# Altium PCB Bran_Main_Assay_PCB_v2.PcbDoc (part 4 of 15)
Units mil, origin at the board's own origin, x right, y up, seen from the top; angles counter-clockwise.
Board outline 3608.46 x 1899.79 mil, 6 copper layers (TOP, GND1, Singal, POWER, GND2, BOTTOM), stack 31.508 mil thick; 363 components, 288 nets, 1386 pads, 975 vias.
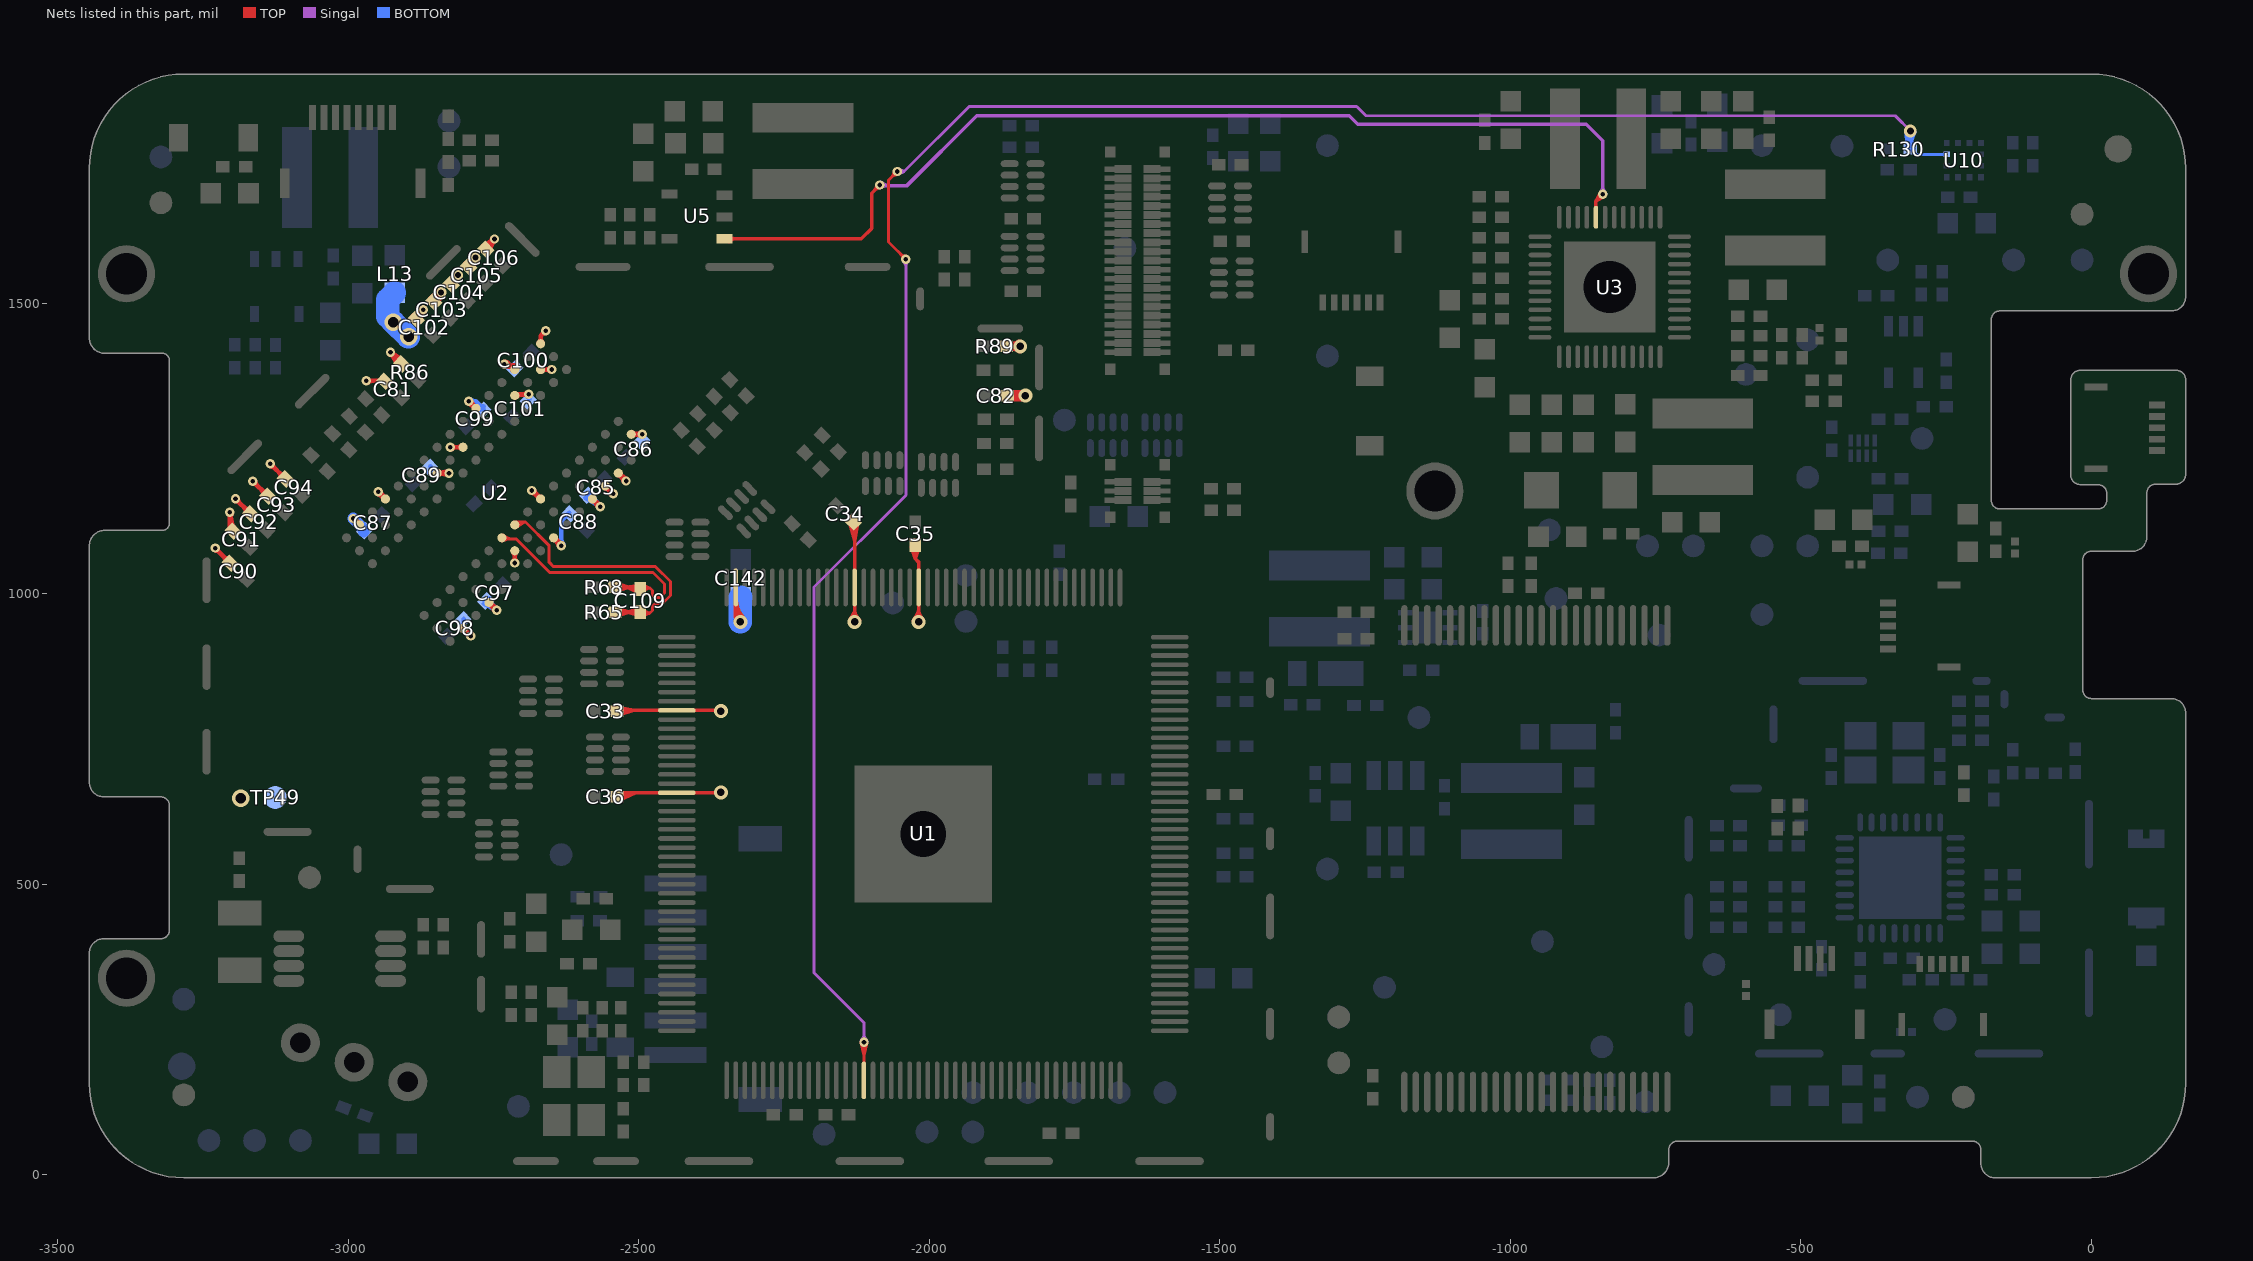
[diagram p8: the nets of this part, all layers, seen from the top]

## Via types
v1: diameter 16, hole 8, TOP to BOTTOM, tented both sides, 431 vias
v2: diameter 18, hole 10, TOP to BOTTOM, tented both sides, 257 vias
v3: diameter 22, hole 12, TOP to BOTTOM, tented both sides, 194 vias
v4: diameter 30, hole 18, TOP to BOTTOM, tented both sides, 69 vias
v5: diameter 24, hole 13, TOP to BOTTOM, tented both sides, 11 vias
v6: diameter 19.68, hole 7.87, TOP to BOTTOM, 9 vias
v7: diameter 22, hole 2, TOP to BOTTOM, tented both sides, 2 vias
v8: diameter 17.99, hole 10, TOP to BOTTOM, tented both sides, 1 vias
v9: diameter 20, hole 10, TOP to BOTTOM, tented both sides, 1 vias

## Nets (pads, with @x,y where several pads share a name; then routed paths per layer and width w, separated by ;. In a path a pad name is that pad's centre, name@x,y a point inside that pad or via, vN(x,y) a via of type N, cw(c..) or ccw(c..) an arc to the next point about the centre after c; other vN are vias at no path point) (continued)
DRAM-VCC: C33.2 C34.2 C35.2 C36.2 C81.2 C82.1 C85.1 C86.1 C87.1 C88.1 C89.1 C90.1 C91.1 C92.1 C93.1 C94.1 C97.1 C98.1 C99.1 C100.1 C101.1 C102.1 C103.1 C104.1 C105.1 C106.1 C142.2 L13.1 R86.2 R89.2 TP49.1 U1.23 U1.30 U1.43 U1.53 U1.62 U2.A1 U2.A8 U2.B2 U2.C1 U2.C9 U2.D2 U2.D9 U2.E9 U2.F1 U2.G7 U2.H2 U2.H9 U2.K2 U2.K8 U2.N1 U2.N9 U2.R1 U2.R9 | length 13377
  TOP w6: v2@-2812.04,1548.31 v2(-2811.43,1548.92) ; C36.2@-2537.89,657.71 -2524.61,656.93 ; C36.2@-2537.25,657.8 -2505.43,657.79 ; C36.2@-2537.12,657.82 -2513.88,656.44 ; C36.2@-2536.12,651 -2536.12,652.32 -2530.65,657.79 U1.62@-2434.64,657.79 v5@-2359.53,657.79 ; C33.2@-2536.1,798.17 -2534.75,799.52 U1.53@-2434.64,799.52 -2360.23,799.52 v5(-2359.02,798.31) ; C33.2@-2535.99,805 -2508.56,799.52 ; C36.2@-2535.92,650.41 cw(c-2518.09,632.58) -2518.09,657.79 ; C33.2@-2535.33,791.43 -2508.56,799.52 ; C33.2@-2535.36,804.92 -2526.32,799.93 ; C33.2@-2535.15,804.88 -2522.18,798.8 ; C33.2@-2534.57,791.61 -2522.18,798.8 ; C36.2@-2534.34,644.51 -2505.43,657.79 ; C36.2@-2533.96,644.66 -2513.88,656.44 ; C33.2@-2533.16,792.19 -2526.32,799.93 ; C36.2@-2531.99,645.87 -2524.61,656.93 ; C36.2@-2531.68,646.16 cw(c-2503.6,618.09) -2503.6,657.79 ; C33.2@-2531.66,793.33 cw(c-2516.72,778.39) -2516.72,799.52 ; C33.2@-2531.66,803.01 ccw(c-2523.23,811.43) -2523.23,799.52 ; -2485.12,657.79 U1.62@-2463.18,657.79 ; -2485.12,799.52 U1.53@-2463.18,799.52 ; U1.62@-2406.09,657.79 -2384.16,657.79 ; U1.53@-2406.09,799.52 -2384.16,799.52 ; v5@-2137.39,953.97 -2129.29,968.1 ; C34.2@-2136.88,1121.54 -2128.65,1091.45 ; C34.2@-2136.68,1120.66 -2129.38,1108.11 ; v5@-2135.01,958.19 ccw(c-2150.63,973.81) -2128.54,973.81 ; C34.2@-2134.96,1117.77 cw(c-2150.19,1102.54) -2128.65,1102.54 ; C34.2@-2129.84,1122.33 -2128.65,1121.14 -2128.65,1011.13 -2128.65,1011.02 U1.30@-2128.54,1011.13 v5@-2128.54,951.93 ; v5@-2128.65,951.93 v5(-2128.65,951.83) -2129.29,968.1 ; -2128.65,1061.61 U1.30@-2128.54,1039.68 ; -2128.65,1109.64 cw(c-2117.15,1109.64) C34.2@-2125.28,1117.77 ; v5@-2128.54,960.65 U1.30@-2128.54,982.59 ; -2128.54,973.3 ccw(c-2107.18,973.3) v5@-2122.28,958.19 ; C34.2@-2123.39,1121.34 -2129.38,1108.11 ; C34.2@-2123.29,1122.18 -2128.65,1091.45 ; v5@-2120.1,954.66 -2129.29,968.1 ; C35.2@-2031.18,1081.18 -2024.43,1060.83 ; C35.2@-2031.08,1080.66 -2024.99,1070.02 ; C35.2@-2030.9,1080.06 -2023.87,1070.02 ; C35.2@-2029.27,1077.43 cw(c-2040.95,1065.75) -2024.43,1065.75 cw(c-2007.91,1065.75) C35.2@-2019.59,1077.43 ; v5@-2027.39,953.94 -2019.39,967.93 ; v5@-2025.01,958.19 ccw(c-2040.37,973.55) -2018.65,973.55 ccw(c-1996.92,973.55) v5@-2012.28,958.19 ; C35.2@-2024.43,1081.87 -2024.43,1060.83 ; v5(-2018.65,951.83) -2019.39,967.93 ; v5@-2018.65,956.83 -2018.65,1011.13 -2018.65,1055.04 ; v5@-2018.65,960.65 U1.23@-2018.3,982.59 ; U1.23@-2018.3,1039.68 -2018.65,1055.04 ; C35.2@-2017.95,1080.06 -2024.99,1070.02 ; C35.2@-2017.78,1080.66 -2023.87,1070.02 ; C35.2@-2017.67,1081.18 -2024.43,1060.83 ; v5@-2010.13,954.73 -2019.39,967.93 ; C36.2@-2536.51,651 -2513.88,656.44 ; C36.2@-2536.51,651 -2505.43,657.79 ; C36.2@-2536.51,651 -2524.61,656.93 ; C33.2@-2536.49,798.17 -2508.56,799.52 ; C33.2@-2536.49,798.17 -2526.32,799.93 ; C33.2@-2536.49,798.17 -2522.18,798.8 ; -2129.38,1108.11 -2130.12,1122.61 -2128.65,1091.45 ; -2024.99,1070.02 C35.2@-2024.43,1082.27 ; -2024.43,1060.83 C35.2@-2024.43,1082.27 ; -2024.43,1060.83 -2018.65,1055.04 ; C35.2@-2024.43,1082.27 -2023.87,1070.02
  TOP w8: v1@-3229.43,1074.92 cw(c-3229.43,1065.26) -3222.6,1072.09 cw(c-3215.77,1078.92) v1@-3225.43,1078.92 ; v1(-3229.43,1078.92) C90.1@-3205.02,1054.51 ; C90.1@-3210.58,1054.23 ccw(c-3224.69,1054.23) -3214.71,1064.21 ccw(c-3204.74,1074.18) C90.1@-3204.74,1060.08 ; C90.1@-3209.98,1051.66 -3211.79,1061.97 ; C90.1@-3209.73,1051.19 -3212.47,1061.29 ; v1@-3206.84,1138 cw(c-3213.67,1131.17) -3204.02,1131.17 cw(c-3194.36,1131.17) v1@-3201.19,1138 ; v1@-3204.02,1133.66 ccw(c-3175.31,1133.66) C91.1@-3195.61,1113.36 ; -3202.69,1130.83 v1(-3204.02,1140.83) ; C91.1@-3202.43,1111.92 C91.1@-3200.02,1109.51 ; v1@-3202.43,1139.24 v1(-3204.02,1140.83) ; C90.1@-3202.16,1059.48 -3212.47,1061.29 ; -3202.15,1126.69 cw(c-3186.71,1130.83) v1@-3200.55,1138.83 ; C90.1@-3201.69,1059.22 -3211.79,1061.97 ; C91.1@-3200.17,1119.31 v1(-3204.02,1140.83) ; C91.1@-3198.35,1107.84 C91.1@-3204.02,1113.51 ; v1@-3194.43,1159.92 cw(c-3194.43,1150.26) -3187.6,1157.09 cw(c-3180.77,1163.92) v1@-3190.43,1163.92 ; v1(-3194.43,1163.92) C92.1@-3170.02,1139.51 ; C92.1@-3175.58,1139.23 ccw(c-3189.69,1139.23) -3179.71,1149.21 ccw(c-3169.74,1159.18) C92.1@-3169.74,1145.08 ; C92.1@-3174.98,1136.66 -3176.79,1146.97 ; C92.1@-3174.73,1136.19 -3177.47,1146.29 ; C92.1@-3167.16,1144.48 -3177.47,1146.29 ; C92.1@-3166.69,1144.22 -3176.79,1146.97 ; v1@-3164.43,1189.92 cw(c-3164.43,1180.26) -3157.6,1187.09 cw(c-3150.77,1193.92) v1@-3160.43,1193.92 ; v1(-3164.43,1193.92) C93.1@-3140.02,1169.51 ; C93.1@-3145.58,1169.23 ccw(c-3159.69,1169.23) -3149.71,1179.21 ccw(c-3139.74,1189.18) C93.1@-3139.74,1175.08 ; C93.1@-3144.98,1166.66 -3146.79,1176.97 ; C93.1@-3144.73,1166.19 -3147.47,1176.29 ; C93.1@-3137.16,1174.48 -3147.47,1176.29 ; C93.1@-3136.69,1174.22 -3146.79,1176.97 ; v1@-3134.43,1219.92 cw(c-3134.43,1210.26) -3127.6,1217.09 cw(c-3120.77,1223.92) v1@-3130.43,1223.92 ; v1(-3134.43,1223.92) C94.1@-3110.02,1199.51 ; C94.1@-3115.58,1199.23 ccw(c-3129.69,1199.23) -3119.71,1209.21 ccw(c-3109.74,1219.18) C94.1@-3109.74,1205.08 ; C94.1@-3114.98,1196.66 -3116.79,1206.97 ; C94.1@-3114.73,1196.19 -3117.47,1206.29 ; C94.1@-3107.16,1204.48 -3117.47,1206.29 ; C94.1@-3106.69,1204.22 -3116.79,1206.97 ; v1@-2992.26,1125.87 cw(c-2993.88,1115.39) U2.R1@-2984.69,1120.69 ; v1@-2991.65,1125.83 cw(c-2991.65,1116.17) -2984.82,1123 cw(c-2977.99,1129.83) v1@-2987.65,1129.83 ; v1@-2989.15,1125.5 U2.R1@-2980.9,1118.87 ; v1@-2988.57,1124.58 U2.R1@-2980.9,1118.87 ; v1@-2987.69,1130.41 ccw(c-2976.93,1131.99) U2.R1@-2982.37,1122.57 ; v1@-2987.66,1125.84 cw(c-2994.63,1118.87) U2.R1@-2984.77,1118.87 ; v1@-2987.32,1127.33 U2.R1@-2980.9,1118.87 ; v1@-2987.16,1125.34 ccw(c-2980.9,1131.6) U2.R1@-2980.9,1122.75 ; v1@-2986.35,1126.55 U2.R1@-2980.9,1118.87 ; U2.R1@-2985.11,1121.42 v1(-2991.65,1129.83) ; U2.R1@-2983.19,1123.05 v1(-2991.65,1129.83) ; v1(-2969.45,1366.74) -2939.79,1366.74 C81.2@-2939.02,1367.51 ; v1@-2966.62,1363.91 cw(c-2959.79,1357.08) -2959.79,1366.74 cw(c-2959.79,1376.4) v1@-2966.62,1369.57 ; v1@-2949.44,1171.73 cw(c-2952.54,1157.54) U2.N1@-2939.96,1164.81 ; v1@-2948.59,1171.64 cw(c-2948.59,1161.98) -2941.76,1168.81 cw(c-2934.93,1175.64) v1@-2944.59,1175.64 ; v1@-2946.09,1171.31 U2.N1@-2936.36,1163.41 ; v1@-2945.27,1170.12 U2.N1@-2936.36,1163.41 ; v1@-2944.68,1176.49 ccw(c-2930.49,1179.59) U2.N1@-2937.75,1167.01 ; v1@-2944.26,1173.14 U2.N1@-2936.36,1163.41 ; v1@-2943.07,1172.33 U2.N1@-2936.36,1163.41 ; U2.N1@-2940.55,1165.83 v1(-2948.59,1175.64) ; U2.N1@-2940.23,1163.41 ccw(c-2949.59,1163.41) -2942.97,1170.03 ccw(c-2936.36,1176.64) U2.N1@-2936.36,1167.29 ; U2.N1@-2938.78,1167.61 v1(-2948.59,1175.64) ; v1@-2928.58,1412.18 cw(c-2933.39,1394.25) R86.2@-2917.31,1403.53 ; v1@-2927.55,1412.04 cw(c-2927.55,1402.38) -2920.72,1409.21 cw(c-2913.89,1416.04) v1@-2923.55,1416.04 ; v1@-2927.49,1412.04 cw(c-2927.35,1403.18) -2919.67,1407.61 ; -2920.42,1408.91 cw(c-2932.1,1397.23) R86.2@-2915.58,1397.23 ; -2920.26,1407.37 v1(-2927.55,1416.04) ; -2918.01,1406.5 ccw(c-2909.74,1414.77) R86.2@-2909.74,1403.08 ; R86.2@-2916.15,1401.51 v1(-2927.55,1416.04) ; R86.2@-2914.82,1394.35 -2917.8,1405.49 ; R86.2@-2914.41,1393.72 v1(-2927.55,1416.04) ; R86.2@-2910.02,1397.51 -2910.02,1398.51 v1(-2927.55,1416.04) ; R86.2@-2906.73,1402.24 -2917.8,1405.49 ; R86.2@-2905.98,1401.7 v1(-2927.55,1416.04) ; C102.1@-2884.74,1480.08 ccw(c-2884.74,1490.86) -2877.12,1483.23 ; C102.1@-2882.99,1479.84 ccw(c-2891.22,1494.09) v1@-2875.3,1489.93 ; C102.1@-2881.95,1480.44 v1(-2871.43,1488.92) ; C102.1@-2879.51,1482.53 v1(-2871.43,1488.92) ; C102.1@-2878.9,1474.23 cw(c-2861.47,1474.23) v1@-2873.79,1486.56 ; C102.1@-2878.3,1478.74 v1(-2871.43,1488.92) ; -2878.16,1482.63 ccw(c-2880.99,1487.53) v1@-2875.39,1488.35 ; C102.1@-2878.05,1479.18 cw(c-2867.13,1472.88) v1@-2870.39,1485.06 ; v1@-2875.43,1488.92 cw(c-2885.09,1488.92) -2878.26,1482.09 cw(c-2871.43,1475.26) v1@-2871.43,1484.92 ; C103.1@-2854.7,1510.08 ccw(c-2854.62,1522.83) v2@-2845.66,1513.76 ; C103.1@-2852.38,1509.93 ccw(c-2859.5,1522.44) v2@-2845.35,1519.83 ; C103.1@-2848.9,1504.2 cw(c-2833.45,1504.1) v2@-2844.3,1515.09 ; C103.1@-2848.74,1507.51 cw(c-2837.01,1500.64) v2@-2839.51,1514.01 ; v2@-2845.43,1518.95 cw(c-2857.5,1519.03) -2849.02,1510.44 cw(c-2840.53,1501.85) v2@-2840.46,1513.92 ; v2@-2845.1,1520.7 C103.1@-2850.02,1500.79 ; v2@-2844.94,1521.08 C103.1@-2848.35,1508.19 ; U2.K2@-2844.54,1205.22 cw(c-2837.92,1198.61) -2837.92,1207.96 cw(c-2837.92,1217.32) U2.K2@-2844.54,1210.7 ; v2@-2844.35,1522.02 C103.1@-2855.01,1504.52 ; v2@-2844.14,1522.27 C103.1@-2851.4,1510.49 ; v2@-2843.78,1522.63 C103.1@-2856.5,1507.76 ; v2@-2843.77,1522.64 C103.1@-2856.78,1507.57 ; v2@-2838.53,1514.3 C103.1@-2858.3,1508.86 ; v2@-2838.12,1514.49 C103.1@-2856.78,1507.57 ; v2@-2837.38,1514.96 C103.1@-2855.01,1504.52 ; v2@-2837.03,1515.25 C103.1@-2848.35,1508.19 ; v1@-2822.04,1255.18 ccw(c-2815.27,1262.06) -2815.19,1252.41 ccw(c-2815.12,1242.75) v1@-2822,1249.53 ; U2.H2@-2805.5,1255.22 cw(c-2812.17,1261.78) -2812.09,1252.43 cw(c-2812.02,1243.07) U2.H2@-2805.46,1249.74 ; U2.R9@-2802.74,936.84 cw(c-2802.74,927.48) -2796.12,934.1 cw(c-2789.51,940.71) U2.R9@-2798.86,940.71 ; U2.R9@-2801.53,937.22 cw(c-2810.25,922.12) v1@-2793.36,926.46 ; U2.R9@-2800.32,936.52 v1(-2789.49,927.46) ; U2.R9@-2799.25,939.5 ccw(c-2784.14,948.22) v1@-2788.49,931.34 ; C105.1@-2798.81,1568.43 v2@-2788.05,1574.78 ; C105.1@-2798.77,1568.46 v2@-2786.84,1575.8 ; U2.R9@-2798.54,938.29 v1(-2789.49,927.46) ; C105.1@-2798.44,1568.75 v2(-2781.43,1578.92) ; C105.1@-2797.89,1569.15 v2@-2786.56,1572.95 ; -2797.8,934.33 v1(-2789.49,927.46) ; -2797.34,934.8 cw(c-2801.2,928.1) v1@-2793.48,927.68 ; -2796.82,935.31 ccw(c-2790.13,939.18) v1@-2789.71,931.46 ; -2796.35,935.77 v1(-2789.49,927.46) ; v1@-2795.15,930.84 U2.R9@-2802.74,940.71 ; C105.1@-2795.02,1564.51 C105.1@-2795.02,1565.33 ; C105.1@-2794.74,1570.08 ccw(c-2794.74,1580.86) v2@-2787.12,1573.23 ; v1@-2793.93,1327.97 cw(c-2797.42,1312.91) U2.F1@-2784.03,1320.65 ; v1@-2793.49,927.46 ccw(c-2803.15,927.46) -2796.32,934.29 ccw(c-2789.49,941.12) v1@-2789.49,931.46 ; v1@-2793.03,1327.87 cw(c-2793.02,1318.21) -2786.2,1325.05 cw(c-2779.37,1331.88) v1@-2789.03,1331.87 ; C105.1@-2792.99,1569.84 ccw(c-2799.74,1581.53) v2@-2786.38,1579.63 ; v1@-2792.86,933.12 U2.R9@-2802.74,940.71 ; v1@-2792.56,1327.9 cw(c-2791.83,1321.73) -2786.45,1324.84 ; v1@-2789.69,1326.3 U2.F1@-2780.46,1319.31 ; v1@-2789.13,1332.78 ccw(c-2774.06,1336.28) U2.F1@-2781.79,1322.88 ; v1@-2789.06,1331.41 ccw(c-2782.88,1330.68) -2785.99,1325.29 ; C105.1@-2788.9,1564.23 cw(c-2771.47,1564.23) v2@-2783.79,1576.56 ; C105.1@-2788.55,1568.31 cw(c-2778.34,1562.42) v2@-2780.51,1574.01 ; v1@-2787.46,1328.54 U2.F1@-2780.46,1319.31 ; -2787.17,1570.71 ccw(c-2795.06,1575.27) v2@-2786.26,1577.63 ; v2@-2786.43,1578.92 cw(c-2798.5,1578.92) -2789.96,1570.39 cw(c-2781.43,1561.85) v2@-2781.43,1573.92 ; v2@-2786.05,1580.82 C105.1@-2788.3,1568.74 ; v2@-2785.39,1581.97 C105.1@-2795.02,1565.33 ; v2@-2785.23,1582.17 C105.1@-2791.95,1570.44 ; U2.F1@-2784.65,1321.73 v1(-2793.03,1331.87) ; U2.F1@-2784.33,1319.31 ccw(c-2793.69,1319.31) -2787.08,1325.92 ccw(c-2780.46,1332.54) U2.F1@-2780.46,1323.19 ; U2.F1@-2782.88,1323.5 v1(-2793.03,1331.87) ; v2@-2779.07,1574.52 C105.1@-2791.95,1570.44 ; v2@-2778.38,1574.96 C105.1@-2795.02,1565.33 ; v2@-2777.94,1575.34 C105.1@-2788.3,1568.74 ; C106.1@-2767.86,1599.17 -2758.32,1601.75 ; C106.1@-2767.54,1599.36 -2756.78,1601.92 ; C106.1@-2764.71,1600.08 ccw(c-2764.64,1612.83) -2755.67,1603.76 ; C106.1@-2761.4,1600.49 v1(-2748.43,1610.92) ; C106.1@-2761.04,1600.7 ccw(c-2770.28,1616.9) v1@-2752.29,1611.98 ; C106.1@-2759.71,1591.25 -2756.78,1601.92 ; C106.1@-2759.37,1591.92 -2758.32,1601.75 ; C106.1@-2758.9,1594.2 cw(c-2743.45,1594.12) -2754.31,1605.1 ; C106.1@-2758.35,1598.2 v1(-2748.43,1610.92) ; U2.N9@-2758.2,981.38 cw(c-2758.2,972.02) -2751.58,978.64 ; C106.1@-2757.76,1599.2 cw(c-2743.11,1590.64) v1@-2747.41,1607.05 ; -2757.16,1603.64 v1(-2748.43,1610.92) ; U2.N9@-2757.03,981.78 cw(c-2766.04,966.17) v1@-2748.62,970.78 ; -2757.02,1602.99 ccw(c-2761.52,1610.89) v1@-2752.43,1610.91 ; U2.N9@-2755.78,981.06 v1(-2744.75,971.8) ; -2755.05,1602.7 v1(-2748.43,1610.92) ; -2754.92,1604.06 cw(c-2749.77,1601.05) v1@-2748.97,1606.96 ; U2.N9@-2754.73,984.08 ccw(c-2739.12,993.09) v1@-2743.73,975.67 ; U2.N9@-2754.32,985.25 ccw(c-2744.97,985.25) -2751.58,978.64 ; U2.N9@-2754,982.83 v1(-2744.75,971.8) ; -2753.25,978.87 v1(-2744.75,971.8) ; -2752.83,979.36 cw(c-2756.93,972.27) v1@-2748.75,971.95 ; v1@-2752.43,1610.94 cw(c-2762.08,1611) -2755.29,1604.13 cw(c-2748.5,1597.26) v1@-2748.45,1606.92 ; -2752.31,979.89 ccw(c-2745.21,983.98) v1@-2744.9,975.8 ; -2751.82,980.31 v1(-2744.75,971.8) ; v1@-2750.43,975.18 U2.N9@-2758.2,985.25 ; v1@-2748.75,971.8 ccw(c-2758.41,971.8) -2751.58,978.63 ; v1@-2748.13,977.48 U2.N9@-2758.2,985.25 ; v1@-2744.75,975.8 cw(c-2744.75,985.46) -2751.58,978.63 ; v1@-2732.77,1399.06 cw(c-2730.75,1389.76) -2724.02,1396.49 ; v1@-2731.07,1391.24 cw(c-2727.05,1372.72) U2.C1@-2713.65,1386.12 ; v1@-2729.92,1391.69 cw(c-2725.47,1383.99) -2723.17,1392.58 ; v1@-2728.72,1397.55 ccw(c-2721.45,1403.02) -2721.45,1393.92 ; v1@-2728.43,1397.11 ccw(c-2719.73,1401.97) -2722.31,1392.34 ; -2722.68,1392.44 v1(-2731.92,1395.15) ; -2721.27,1390.77 v1(-2731.92,1395.15) ; -2718.23,1393.92 cw(c-2718.23,1385.11) U2.C1@-2709.62,1387.02 ; U2.C1@-2717.52,1386.12 ccw(c-2726.88,1386.12) -2720.26,1392.74 ccw(c-2713.65,1399.35) U2.C1@-2713.65,1390 ; U2.C1@-2717.43,1385.28 ccw(c-2728.2,1382.89) v1@-2728.2,1393.92 ; v1@-2716.48,1055.97 ccw(c-2723.31,1062.8) -2713.65,1062.8 ccw(c-2703.99,1062.8) v1@-2710.82,1055.97 ; U2.K8@-2716.39,1071.59 cw(c-2723,1064.98) -2713.65,1064.98 cw(c-2704.29,1064.98) U2.K8@-2710.91,1071.59 ; U2.D2@-2710.92,1338.84 cw(c-2699.47,1327.4) -2699.47,1343.58 ; -2703.66,1343.03 U2.D2@-2713.66,1341.58 ; v1@-2692.22,1340.75 ccw(c-2699.05,1333.92) -2699.05,1343.58 ccw(c-2699.05,1353.24) v1@-2692.22,1346.41 ; v1@-2684.43,1173.92 cw(c-2684.43,1164.26) -2677.6,1171.09 cw(c-2670.77,1177.92) -2680.43,1177.92 ccw(c-2671.09,1177.91) -2675.76,1169.82 ; v1@-2680.56,1178.96 ccw(c-2662.39,1183.83) U2.G7@-2671.8,1167.53 ; v1@-2678.68,1174.42 U2.G7@-2669.12,1163.41 ; -2677.1,1170.59 ccw(c-2669.12,1178.57) U2.G7@-2669.12,1167.29 ; -2675.69,1170.52 v1(-2684.43,1177.92) ; -2675.17,1168.66 cw(c-2680.42,1163.41) U2.G7@-2672.99,1163.41 ; U2.G7@-2672.04,1167.67 v1(-2684.43,1177.92) ; U2.A1@-2671.85,1433.4 ccw(c-2678.46,1440.02) -2669.11,1440.02 ccw(c-2659.75,1440.02) U2.A1@-2666.37,1433.4 ; U2.A1@-2669.11,1430.66 -2669.11,1444.24 ; U2.B2@-2666.4,1388.89 ccw(c-2659.85,1395.56) -2659.76,1386.21 ccw(c-2659.68,1376.85) U2.B2@-2666.35,1383.41 ; v1@-2664.43,1452.92 cw(c-2674.09,1452.92) -2667.26,1446.09 cw(c-2660.43,1439.26) v1@-2660.43,1448.92 ; v1@-2654.73,1384.96 U2.B2@-2669.12,1386.12 ; v1@-2654.76,1387.55 U2.B2@-2669.12,1386.12 ; v1@-2652.77,1389.1 cw(c-2659.67,1395.87) -2659.57,1386.21 cw(c-2659.48,1376.55) v1@-2652.72,1383.45 ; U2.H9@-2646.84,1092.74 cw(c-2646.84,1083.38) -2640.23,1089.99 ; U2.H9@-2645.67,1093.14 cw(c-2654.67,1077.55) v1@-2637.27,1082.14 ; U2.H9@-2644.42,1092.42 v1(-2633.4,1083.16) ; U2.H9@-2643.37,1095.44 ccw(c-2627.77,1104.44) v1@-2632.37,1087.03 ; U2.H9@-2642.96,1096.61 ccw(c-2633.61,1096.61) -2640.23,1089.99 ; U2.H9@-2642.65,1094.19 v1(-2633.4,1083.16) ; -2641.89,1090.23 v1(-2633.4,1083.16) ; -2641.47,1090.71 cw(c-2645.56,1083.64) v1@-2637.4,1083.32 ; -2640.95,1091.25 ccw(c-2633.86,1095.33) v1@-2633.55,1087.16 ; -2640.46,1091.67 v1(-2633.4,1083.16) ; v1@-2639.08,1086.55 U2.H9@-2646.84,1096.61 ; v1@-2637.4,1083.16 ccw(c-2647.06,1083.17) -2640.22,1089.99 ; v1@-2636.78,1088.85 U2.H9@-2646.84,1096.61 ; v1@-2633.4,1087.16 cw(c-2633.39,1096.82) -2640.22,1089.99 ; U2.E9@-2580.03,1159.55 cw(c-2580.03,1150.19) -2573.41,1156.81 cw(c-2566.8,1163.42) U2.E9@-2576.15,1163.42 ; U2.E9@-2578.83,1159.93 cw(c-2587.59,1144.75) v1@-2570.62,1149.14 ; U2.E9@-2577.61,1159.23 v1(-2566.75,1150.14) ; U2.E9@-2576.54,1162.22 ccw(c-2561.36,1170.98) v1@-2565.75,1154.01 ; U2.E9@-2575.83,1161 v1(-2566.75,1150.14) ; -2575.09,1157.04 v1(-2566.75,1150.14) ; -2574.63,1157.51 cw(c-2578.53,1150.75) v1@-2570.74,1150.35 ; -2574.12,1158.03 ccw(c-2567.36,1161.93) v1@-2566.96,1154.14 ; -2573.64,1158.48 v1(-2566.75,1150.14) ; v1@-2572.41,1153.52 U2.E9@-2580.03,1163.42 ; v1@-2570.75,1150.14 ccw(c-2580.41,1150.14) -2573.58,1156.97 ccw(c-2566.75,1163.8) v1@-2566.75,1154.14 ; v1@-2570.12,1155.8 U2.E9@-2580.03,1163.42 ; U2.D9@-2557.76,1181.82 cw(c-2557.76,1172.46) -2551.15,1179.07 ; U2.D9@-2556.59,1182.22 cw(c-2565.59,1166.63) v1@-2548.19,1171.22 ; U2.D9@-2555.34,1181.5 v1(-2544.32,1172.24) ; U2.D9@-2554.29,1184.52 ccw(c-2538.69,1193.52) v1@-2543.29,1176.11 ; U2.D9@-2553.88,1185.69 ccw(c-2544.53,1185.69) -2551.15,1179.07 ; U2.D9@-2553.57,1183.27 v1(-2544.32,1172.24) ; -2552.81,1179.31 v1(-2544.32,1172.24) ; -2552.39,1179.79 cw(c-2556.48,1172.72) v1@-2548.32,1172.4 ; -2551.87,1180.33 ccw(c-2544.78,1184.41) v1@-2544.47,1176.24 ; -2551.38,1180.75 v1(-2544.32,1172.24) ; v1@-2550,1175.63 U2.D9@-2557.76,1185.69 ; v1@-2548.32,1172.24 ccw(c-2557.98,1172.25) -2551.14,1179.07 ; v1@-2547.7,1177.93 U2.D9@-2557.76,1185.69 ; v1@-2544.32,1176.24 cw(c-2544.31,1185.9) -2551.14,1179.07 ; U2.C9@-2535.49,1204.09 cw(c-2535.49,1194.73) -2528.87,1201.35 cw(c-2522.26,1207.96) U2.C9@-2531.61,1207.96 ; U2.C9@-2534.32,1204.49 cw(c-2543.33,1188.88) v1@-2525.91,1193.49 ; U2.C9@-2533.07,1203.77 v1(-2522.04,1194.51) ; U2.C9@-2532.02,1206.79 ccw(c-2516.41,1215.8) v1@-2521.02,1198.38 ; U2.C9@-2531.29,1205.54 v1(-2522.04,1194.51) ; -2530.54,1201.58 v1(-2522.04,1194.51) ; -2530.12,1202.07 cw(c-2534.22,1194.98) v1@-2526.04,1194.66 ; -2529.6,1202.6 ccw(c-2522.5,1206.69) v1@-2522.19,1198.51 ; -2529.11,1203.02 v1(-2522.04,1194.51) ; v1@-2527.72,1197.89 U2.C9@-2535.49,1207.96 ; v1@-2526.04,1194.51 ccw(c-2535.7,1194.51) -2528.87,1201.34 ccw(c-2522.04,1208.17) v1@-2522.04,1198.51 ; v1@-2525.42,1200.19 U2.C9@-2535.49,1207.96 ; U2.A8@-2510.47,1272.03 cw(c-2503.85,1265.42) -2503.85,1274.77 cw(c-2503.85,1284.13) U2.A8@-2510.47,1277.51 ; v1@-2498.84,1273.48 U2.A8@-2513.21,1274.77 ; v1@-2498.84,1276.07 U2.A8@-2513.21,1274.77 ; v1@-2496.84,1271.94 ccw(c-2503.67,1265.11) -2503.67,1274.77 ccw(c-2503.67,1284.43) v1@-2496.84,1277.6 ; v5@-2333.33,953.07 -2327.09,967.02 ; -2333.26,970.73 ccw(c-2306.52,970.73) v5(-2325.43,951.83) ; U1.43@-2333.26,990.04 ccw(c-2287.21,990.04) v5@-2319.77,957.48 ; U1.43@-2333.26,1011.13 v5@-2333.26,959.66 ; v5@-2317.98,954.75 -2327.09,967.02 ; R89.2@-1865.71,1420.43 v5@-1853.32,1423.64 ; R89.2@-1865.67,1432.11 v5@-1853.19,1428.82 ; R89.2@-1865.25,1420.46 v5@-1837.08,1426.27 ; R89.2@-1865.25,1432.08 v5@-1837.08,1426.27 ; R89.2@-1864.47,1420.59 v5@-1855.39,1425.79 ; R89.2@-1864.47,1431.95 v5@-1855.39,1426.75 ; R89.2@-1863.96,1420.74 v5@-1855.39,1426.75 ; R89.2@-1863.96,1431.8 v5@-1855.39,1425.79 ; R89.2@-1863.43,1420.95 v5@-1853.19,1428.82 ; R89.2@-1863.37,1431.57 v5@-1853.32,1423.64 ; R89.2@-1863.12,1426.27 cw(c-1863.12,1406.65) v5@-1849.25,1420.53 ; R89.2@-1862.69,1426.27 ccw(c-1862.69,1445.28) v5@-1849.25,1431.84 ; R89.2@-1861.71,1422.14 cw(c-1851.74,1412.17) -1851.74,1426.27 cw(c-1851.74,1440.38) R89.2@-1861.71,1430.4 ; v5@-1846.66,1418.79 R89.2@-1858.79,1428.16 ; v5@-1846.58,1433.6 R89.2@-1858.79,1424.38 ; v5@-1846.24,1418.63 R89.2@-1857.77,1426.92 ; v5@-1846.11,1433.78 R89.2@-1858.05,1425.6 ; v5@-1845.5,1418.41 R89.2@-1858.05,1425.6 ; v5@-1845.45,1433.96 R89.2@-1857.77,1426.92 ; v5@-1845.09,1418.32 R89.2@-1865.45,1426.27 ; v5@-1845.03,1434.05 R89.2@-1865.45,1426.27 ; v5@-1844.76,1418.27 R89.2@-1858.79,1424.38 ; v5@-1844.67,1434.11 R89.2@-1858.79,1428.16 ; -3212.47,1061.29 -3204.74,1054.23 -3211.79,1061.97 ; C91.1@-3204.02,1113.51 v1(-3204.02,1140.83) ; C91.1@-3204.02,1113.51 v1(-3204.02,1140.83) ; -3177.47,1146.29 -3169.74,1139.23 -3176.79,1146.97 ; -3147.47,1176.29 -3139.74,1169.23 -3146.79,1176.97 ; -3117.47,1206.29 -3109.74,1199.23 -3116.79,1206.97 ; v1(-2991.65,1129.83) U2.R1@-2980.9,1118.87 ; v1(-2991.65,1129.83) U2.R1@-2980.9,1118.87 ; v1(-2991.65,1129.83) U2.R1@-2980.9,1118.87 ; v1(-2991.65,1129.83) U2.R1@-2980.9,1118.87 ; v1(-2991.65,1129.83) U2.R1@-2980.9,1118.87 ; v1(-2991.65,1129.83) -2980.9,1119.08 U2.R1@-2980.9,1118.87 ; v1(-2948.59,1175.64) U2.N1@-2936.36,1163.41 ; v1(-2948.59,1175.64) U2.N1@-2936.36,1163.41 ; v1(-2948.59,1175.64) U2.N1@-2936.36,1163.41 ; v1(-2948.59,1175.64) U2.N1@-2936.36,1163.41 ; v1(-2948.59,1175.64) U2.N1@-2936.36,1163.41 ; v1(-2948.59,1175.64) U2.N1@-2936.36,1163.41 ; v1(-2927.55,1416.04) R86.2@-2909.74,1397.23 ; v1(-2927.55,1416.04) -2906.5,1402.09 v1@-2924.11,1410.32 ; v1(-2927.55,1416.04) -2914.28,1393.55 v1@-2924.11,1410.32 ; v1(-2927.55,1416.04) R86.2@-2909.74,1397.23 ; v1@-2924.11,1410.32 R86.2@-2909.74,1397.23 ; -2917.8,1405.49 R86.2@-2909.74,1397.23 ; C102.1@-2884.74,1474.23 v1(-2871.43,1488.92) ; C102.1@-2884.74,1474.23 v1(-2871.43,1488.92) ; C102.1@-2884.74,1474.23 v1(-2871.43,1488.92) ; C102.1@-2884.74,1474.23 v1@-2876.97,1485.86 ; C102.1@-2884.74,1474.23 v1@-2876.56,1482.95 ; C102.1@-2884.74,1474.23 v1(-2871.43,1488.92) ; v1@-2876.97,1485.86 -2879.31,1472.07 v1(-2871.43,1488.92) ; v1@-2876.97,1485.86 -2888.81,1478.42 v1(-2871.43,1488.92) ; v1@-2876.56,1482.95 -2879.63,1471.4 v1(-2871.43,1488.92) ; v1@-2876.56,1482.95 -2887.89,1479.15 v1(-2871.43,1488.92) ; v1@-2873.43,1483.8 C102.1@-2883.35,1472.84 v1(-2871.43,1488.92) ; v1@-2873.43,1483.8 -2878.33,1469.86 v1(-2871.43,1488.92) ; v1@-2873.43,1483.8 -2886.82,1477.54 v1(-2871.43,1488.92) ; v1(-2871.43,1488.92) -2879.88,1470.99 v1(-2871.43,1488.92) ; v1(-2871.43,1488.92) -2888.44,1478.75 v1(-2871.43,1488.92) ; v1(-2871.43,1488.92) -2885.02,1475.33 v1(-2871.43,1488.92) ; C103.1@-2858.67,1508.55 v2(-2840.43,1518.92) ; C103.1@-2858.67,1508.55 v2@-2843.4,1522.94 ; C103.1@-2858.67,1508.55 -2838.49,1514.31 C103.1@-2858.57,1508.64 ; C103.1@-2858.67,1508.55 v2@-2847.08,1515.17 ; C103.1@-2858.57,1508.64 v2(-2840.43,1518.92) ; C103.1@-2858.57,1508.64 v2@-2843.4,1522.95 ; C103.1@-2858.57,1508.64 v2@-2845.86,1515.83 ; C103.1@-2858.3,1508.86 v2(-2840.43,1518.92) ; C103.1@-2858.3,1508.86 v2@-2843.39,1522.95 ; C103.1@-2858.3,1508.86 v2(-2840.43,1518.92) ; C103.1@-2857.86,1509.17 v2(-2840.43,1518.92) ; C103.1@-2857.86,1509.17 v2@-2843.4,1522.95 ; C103.1@-2857.86,1509.17 -2838.55,1514.29 C103.1@-2857.54,1509.36 ; C103.1@-2857.86,1509.17 -2848.31,1511.75 ; C103.1@-2857.54,1509.36 v2(-2840.43,1518.92) ; C103.1@-2857.54,1509.36 v2@-2843.4,1522.94 ; C103.1@-2857.54,1509.36 -2846.78,1511.91 ; C103.1@-2856.78,1507.57 v2(-2840.43,1518.92) ; C103.1@-2856.78,1507.57 v2@-2843.59,1513.53 ; C103.1@-2856.5,1507.76 v2(-2840.43,1518.92) ; C103.1@-2856.5,1507.76 -2838.12,1514.48 C103.1@-2851.4,1510.49 ; C103.1@-2856.5,1507.76 v2@-2843.74,1512.46 ; C103.1@-2855.01,1504.52 v2(-2840.43,1518.92) ; C103.1@-2855.01,1504.52 v2(-2840.43,1518.92) ; C103.1@-2854.74,1504.23 v2(-2840.43,1518.92) ; C103.1@-2854.74,1504.23 v2@-2844.41,1521.95 ; C103.1@-2854.74,1504.23 v2@-2837.3,1515.02 ; C103.1@-2854.74,1504.23 v2(-2840.43,1518.92) ; C103.1@-2854.74,1504.23 v2@-2844.41,1521.95 